# Altium PCB Archimajor.PcbDoc (part 3 of 13)
Units mil, origin at the board's own origin, x right, y up, seen from the top; angles counter-clockwise.
Board outline 7480.32 x 5511.81 mil, 6 copper layers (Top Layer, Top GND, Power Plane, Mid1, Bot GND, Bottom Layer), stack 69.913 mil thick; 1038 components, 682 nets, 3229 pads, 2870 vias.
Unrouted connection lines stored in the file: 97.
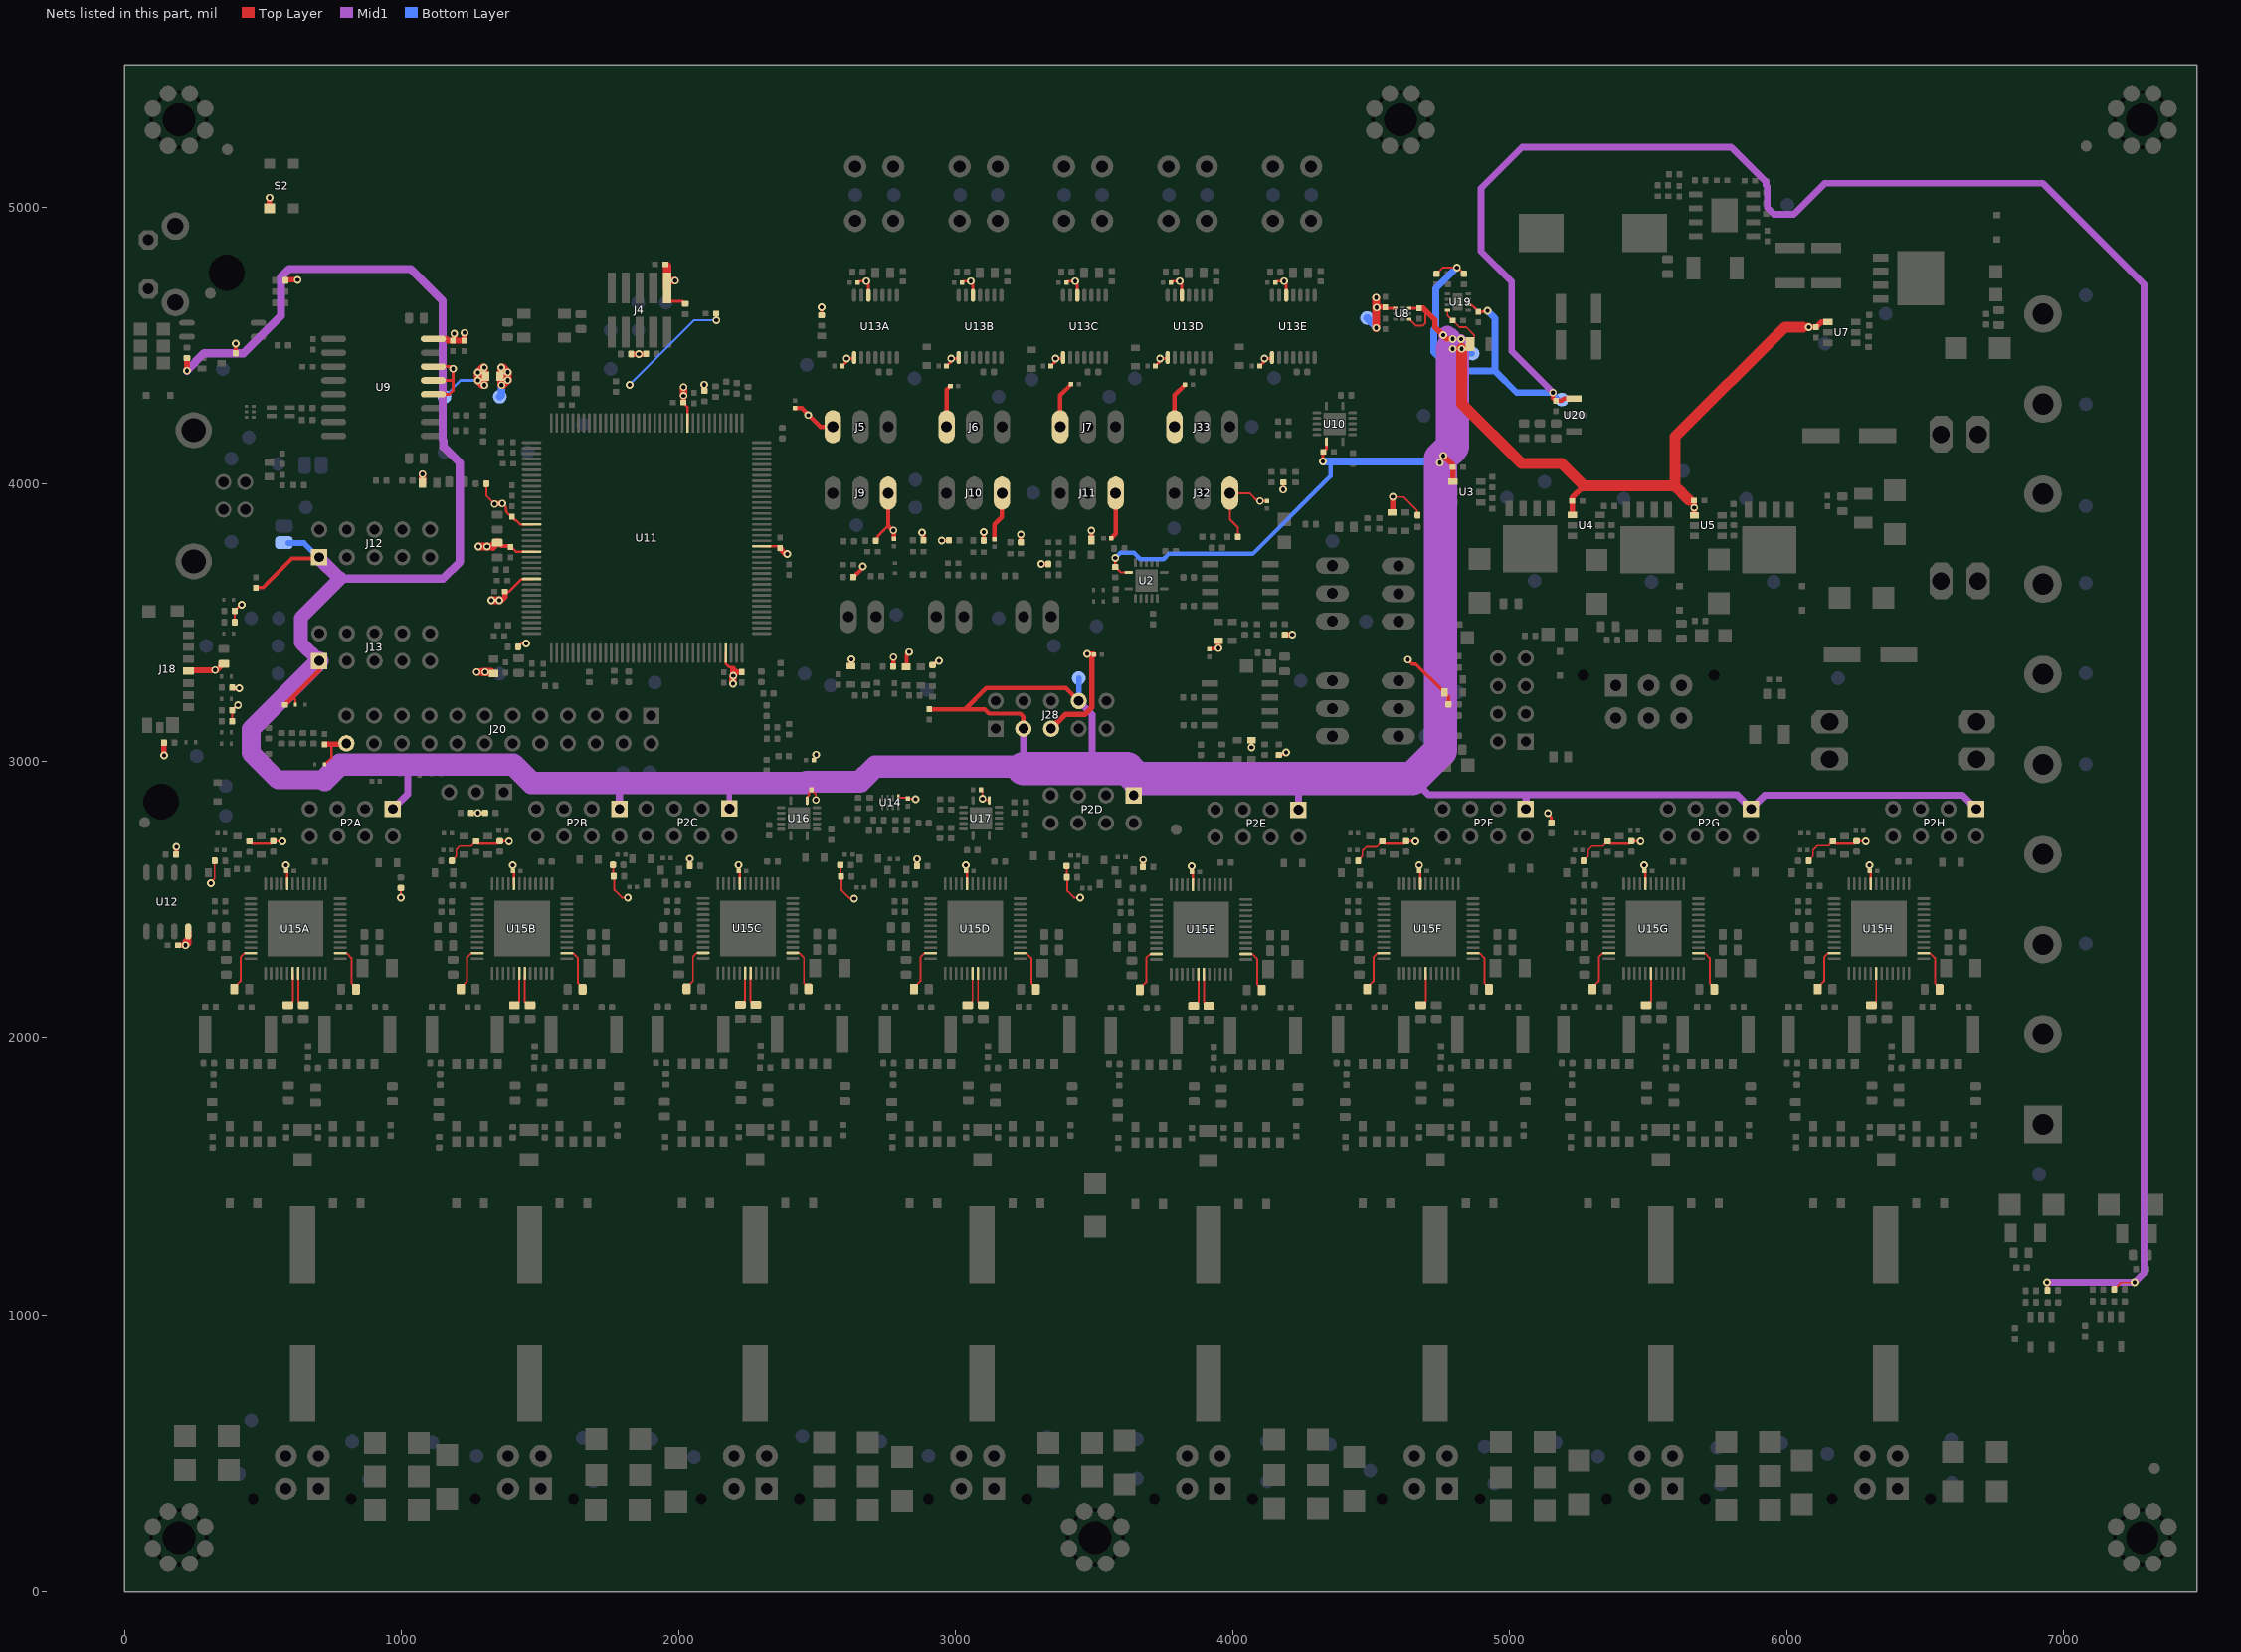
[diagram p7: the nets of this part, all layers, seen from the top]

## Footprints (in the part's own frame and the unit in brackets; to place one, negate y for a bottom-side part, rotate by r counter-clockwise, add the part's x,y. Pads: shape width x height; smd on the part's side, far side on the other; paste and mask are expansions set on the pad) (continued)
Standoff3mmTopConn [mm]
  round 1 smd paste-2 mask-2: 1(-1.5,-1.9)
  round 0 hole 3.3 unplated paste-2 mask-3: ""(0,0)
  Top Layer lines w1.143: -1.724,-1.724 ccw(c0,0) 2.438,0 ccw(c0,0) -1.724,-1.724
  Bottom Layer circle w1.143: c0,0 r2.438
  silkscreen extent -2.98,-2.98 2.98,2.98, body extent -2.98,-2.98 2.98,2.98, height 0.01
TDFN1616-6LD-PL-1 [mm] "1.6mmx1.6mm"
  rect 0.28x0.4 smd mask+0.13: 1(-0.5,-0.65) 2(0,-0.65) 3(0.5,-0.65) 4(0.5,0.65) 5(0,0.65) 6(-0.5,0.65)
  rect 1.4x0.483 smd paste-1 mask+0.07: 7(0,0)
  silkscreen extent -1.2,-0.9 -1,-0.7, body extent -0.8,-0.8 0.8,0.8, height 0.55
TP1-27#1 [mil]
  rrect100% 50x50 smd paste-50: TP(0,0)
  body extent -25,-25 25,25, height 0
TP1-27#2 [mil]
  rrect100% 50x50 smd: TP(0,0)
  body extent -25,-25 25,25, height 0
TP-2 [mil]
  round 50 smd paste-78.74: 1(0,0)
  body extent -25,-25 25,25, height 1
TQFP48-EP [mm] "TSQFP, 48-Leads, Body 7.00x7.00mm, Pitch 0.50mm, Thermal Pad 5.10x5.10mm, IPC High Density"
  oval 1.2x0.25 smd: 1(-4.1,2.75) 2(-4.1,2.25) 3(-4.1,1.75) 4(-4.1,1.25) 5(-4.1,0.75) 6(-4.1,0.25) 7(-4.1,-0.25) 8(-4.1,-0.75) 9(-4.1,-1.25) 10(-4.1,-1.75) 11(-4.1,-2.25) 12(-4.1,-2.75) 25(4.1,-2.75) 26(4.1,-2.25) 27(4.1,-1.75) 28(4.1,-1.25) 29(4.1,-0.75) 30(4.1,-0.25) 31(4.1,0.25) 32(4.1,0.75) 33(4.1,1.25) 34(4.1,1.75) 35(4.1,2.25) 36(4.1,2.75)
  oval 0.25x1.2 smd: 13(-2.75,-4.1) 14(-2.25,-4.1) 15(-1.75,-4.1) 16(-1.25,-4.1) 17(-0.75,-4.1) 18(-0.25,-4.1) 19(0.25,-4.1) 20(0.75,-4.1) 21(1.25,-4.1) 22(1.75,-4.1) 23(2.25,-4.1) 24(2.75,-4.1) 37(2.75,4.1) 38(2.25,4.1) 39(1.75,4.1) 40(1.25,4.1) 41(0.75,4.1) 42(0.25,4.1) 43(-0.25,4.1) 44(-0.75,4.1) 45(-1.25,4.1) 46(-1.75,4.1) 47(-2.25,4.1) 48(-2.75,4.1)
  rect 5.1x5.1 smd: 49(0,0)
  silkscreen extent -4.23,-3.1 3.1,3.55, body extent -3.5,-3.5 3.5,3.5, height 1.2
"TSSOP-14L 65P640X110" [mm] "TSOP, 14-Leads, Body 5.00x4.40mm, Pitch 0.65mm, IPC High Density"
  oval 1.2x0.4 smd: 1(-2.85,1.95) 2(-2.85,1.3) 3(-2.85,0.65) 4(-2.85,0) 5(-2.85,-0.65) 6(-2.85,-1.3) 7(-2.85,-1.95) 8(2.85,-1.95) 9(2.85,-1.3) 10(2.85,-0.65) 11(2.85,0) 12(2.85,0.65) 13(2.85,1.3) 14(2.85,1.95)
  silkscreen extent -2.97,-2.55 1.85,2.83, body extent -2.25,-2.55 2.25,2.55, height 1.1
Wave_hole_3x7-doubleSided [mil]
  round 0 hole 118.11 unplated paste+0 mask-112: 0(0,0)
  round 0 hole 15 paste-20 mask-20: 1(-100,0) 1(-70,-70) 1(-70,70) 1(0,-100) 1(0,100) 1(70,-70) 1(70,70) 1(100,0)
  round 60 smd paste-5 mask+0: 1(-94.49,-39.37) 1(-94.49,39.37) 1(-39.37,-94.49) 1(-39.37,94.49) 1(39.37,-94.49) 1(39.37,94.49) 1(94.49,-39.37) 1(94.49,39.37)
  round 60 smd far side paste-5 mask+0: 1(-94.49,-39.37) 1(-94.49,39.37) 1(-39.37,-94.49) 1(-39.37,94.49) 1(39.37,-94.49) 1(39.37,94.49) 1(94.49,-39.37) 1(94.49,39.37)
  Top Layer lines w61.96: -72.12,-72.12 ccw(c0,0) 19.33,-100.15 ccw(c0,0) 102,0 ccw(c0,0) -72.12,-72.12
  Bottom Layer lines w61.96: -72.12,72.12 cw(c0,0) 102,0 cw(c0,0) 72.12,-72.12 cw(c0,0) -72.12,72.12
  body extent -105,-105 105,105
WSON8_2X2MM [mm]
  rect 0.5x0.25 smd paste-0.025 mask+0.051: 1(-0.95,0.75) 2(-0.95,0.25) 3(-0.95,-0.25) 4(-0.95,-0.75) 5(0.95,-0.75) 6(0.95,-0.25) 7(0.95,0.25) 8(0.95,0.75)
  rect 0.9x1.6 smd mask+0.051: 9(0,0)
  round 0.35 on Top Overlay paste-0.9 mask+0.051: ""(-1.47,0.75)
  silkscreen extent -1.05,-1.05 1.05,1.05, body extent -1.05,-1.05 1.05,1.05, height 0.02
XSON50P100X50-8L [mm] "SON, 8-Leads, Body 1.95x1.00mm, Pitch 0.50mm, IPC High Density"
  rect 0.65x0.2 smd: 1(-0.415,0.75)
  rect 0.6x0.2 smd: 2(-0.415,0.25) 3(-0.415,-0.25) 4(-0.415,-0.75) 5(0.415,-0.75) 6(0.415,-0.25) 7(0.415,0.25) 8(0.415,0.75)
  silkscreen extent -0.97,-1.15 0.53,1.2, body extent -0.53,-1 0.53,1, height 0.5

## Part data
C1: library part "100nF 0603 50V X7R", "CAP CER 0603 100nF 50V 10% X7R", Manufacturer=Kemet, MANUFACTURER #=C0603C104K5RACTU, TOLERANCE="+/- 10%", DISTRIBUTOR=Digi-Key, DISTRIBUTOR #=399-5089-2-ND, EE_SPEC="100nF 50V X7R 0603", PART=C0603C104K5RACTU, PART DESCRIPTION="0.1µF ±10% 50V Ceramic Capacitor X7R 0603 (1608 Metric)"
C2 C60A C60B C60C C60D C60E C62A C62B C62C C62D C62E C67 C78 C91 C100 C105 C106 C149A C149B C149C C149D C149E C149F C149G C149H C204 C205 C206 C207 C208 C215 C217: library part "100nF 6.3V X5R 0201", "CAP CER 0.1UF 6.3V 10% X5R 0201", Manufacturer=Samsung, MANUFACTURER #=CL03A104KQ3NNNC, TOLERANCE=10%, VOLTAGE=6.3V, DISTRIBUTOR=DIGI-KEY, DISTRIBUTOR #=1276-1013-1-ND, PART=CL03A104KQ3NNNC
C3: library part C0402_TBD, "CAP CER 0402 TBD", Manufacturer=TBD, DISTRIBUTOR #=TBD, DNI=DNI, EE_SPEC=50V, MANUFACTURER #=TBD, PART=TBD, PART DESCRIPTION=TBD
C4 C5: library part "47uF 1210 10V X5R", "CAP CER 47UF 10V X5R 1210", Manufacturer=Murata, MANUFACTURER #=GRM32ER61A476KE20L, TOLERANCE=10%, DISTRIBUTOR=Digikey, DISTRIBUTOR #=490-3887-1-ND, EE_SPEC="10V, 3mOhm", PART=GRM32ER61A476KE20L, PART DESCRIPTION="47µF ±10% 10V Ceramic Capacitor X5R 1210 (3225 Metric)"
C6 C7: library part "4.7uF 1210 50V X7R", "CAP CER 4.7UF 50V X7R 1210", Manufacturer=Murata, MANUFACTURER #=GRM32ER71H475KA88L, TOLERANCE=10%, DISTRIBUTOR=Digikey, DISTRIBUTOR #=490-1864-1-ND, EE_SPEC=50V, PART=GRM32ER71H475KA88L, PART DESCRIPTION="4.7µF ±10% 50V Ceramic Capacitor X7R 1210 (3225 Metric)"
C8 C9 C10 C11 C27 C50 C153 C209 C211: "Capacitor Non Polarized", MANUFACTURER #=DNI-C0603TBD, DNI=DNI, PART=DNI-C0603TBD
C12A C12B C12C C12D C12E C30A C30B C30C C30D C30E C71 C171: library part "10nF 0402 50V X7R", "CAP CER 10nF 50V X7R 0402", Manufacturer=Murata, MANUFACTURER #=GRM155R71H103JA88D, TOLERANCE=5%, DISTRIBUTOR=Digikey, DISTRIBUTOR #=490-7763-1-ND, EE_SPEC=50V, PART=GRM155R71H103JA88D, PART DESCRIPTION="10000pF ±5% 50V Ceramic Capacitor X7R 0402 (1005 Metric)"
C13 C17 C35 C94: library part "CAP 1nF 50V 0402 X7R", "1000pF 50V Ceramic Capacitor X7R 0402 (1005 Metric) 0.039\" L x 0.020\" W (1.00mm x 0.50mm)", Manufacturer=Murata, MANUFACTURER #=GRM155R71H102KA01D, TOLERANCE=10%, DISTRIBUTOR="Digi-Key Electronics", DISTRIBUTOR #=490-1303-2-ND, EE_SPEC=50V, PART=GRM155R71H102KA01D, PART DESCRIPTION="1000pF ±10% 50V Ceramic Capacitor X7R 0402 (1005 Metric)"
C14 C16 C38 C93: library part "10uF 1206 50V X5R", "CAP CER 10UF 50V 10% X5R 1206", Manufacturer=Murata, MANUFACTURER2#=587-3248-2-ND, MANUFACTURER #=490-10756-2-ND, TOLERANCE=10%, DISTRIBUTOR="Digi-Key Electronics", DISTRIBUTOR #=490-10756-2-ND, EE_SPEC=50V, PART=490-10756-2-ND, PART DESCRIPTION="10µF ±20% 50V Ceramic Capacitor X5R 1206 (3216 Metric)"
C15 C18 C36 C95 C199 C202 C203: library part C0603C104K5RACTU, "CAP CER 0603 100nF 50V 10% X7R", Manufacturer=Kemet, TOLERANCE=10%, DISTRIBUTOR="Digi-Key Electronics", DISTRIBUTOR #=399-5089-2-ND, EE_SPEC="100nF 50V X7R 0603", MANUFACTURER #=C0603C104K5RACTU, PART=C0603C104K5RACTU
  C15 C18 C36 C95: PART DESCRIPTION="0.10µF ±10% 50V Ceramic Capacitor X7R 0603 (1608 Metric)"
  C199 C202 C203: PART DESCRIPTION="0.1µF ±10% 50V Ceramic Capacitor X7R 0603 (1608 Metric)"
C19 C20 C21 C22 C26 C28 C29 C31 C33 C39 C44 C45 C46 C51 C52 C54 C56 C63 C65 C66 C68 C69 C73 C76 C80 C81 C82 C103 C161 C162 C164 C165 C166 C167 C169 C200 C201: library part GRM155R71C104KA88D, "CAP CER 0402 100nF 16V 10% X7R", Manufacturer=Murata, TOLERANCE=10%, DISTRIBUTOR="Digi-Key Electronics", DISTRIBUTOR #=490-3261-2-ND, EE_SPEC="100nF 16V X7R 0402", MANUFACTURER #=GRM155R71C104KA88D, PART=GRM155R71C104KA88D, PART DESCRIPTION="0.10µF ±10% 16V Ceramic Capacitor X7R 0402 (1005 Metric)"
C23A C23B C23C C23D C23E C47A C47B C47C C47D C47E C47F C47G C47H C121A C121B C121C C121D C121E C121F C121G C121H C122A C122B C122C C122D C122E C122F C122G C122H: library part "100nF 0603 50V X7R", "CAP CER 0603 100nF 50V 10% X7R", Manufacturer=Kemet, MANUFACTURER #=C0603C104K5RACTU, TOLERANCE=10%, DISTRIBUTOR=Digikey, DISTRIBUTOR #=399-5089-2-ND, EE_SPEC=50V, PART=C0603C104K5RACTU, PART DESCRIPTION="0.10µF ±10% 50V Ceramic Capacitor X7R 0603 (1608 Metric)"
C24 C32 C34: library part GRM155R60J105KE19D, "CAP CER 0402 1uF 6.3V 10% X5R", Manufacturer=Murata, TOLERANCE=10%, DISTRIBUTOR="Digi-Key Electronics", DISTRIBUTOR #=490-1320-2-ND, EE_SPEC="1uF 6.3V X5R 0402", MANUFACTURER #=GRM155R60J105KE19D, PART=GRM155R60J105KE19D, PART DESCRIPTION="1µF ±10% 6.3V Ceramic Capacitor X5R 0402 (1005 Metric)"
C25 C210: "CAP ALUM 100UF 35V 20% SMD", Manufacturer=Nichicon, TOLERANCE=20%, DISTRIBUTOR="Digi-Key Electronics", DISTRIBUTOR #=493-2203-2-ND, EE_SPEC="100uF 35V Al-El", MANUFACTURER #=UWT1V101MCL1GS, PART=UWT1V101MCL1GS, PART DESCRIPTION="100µF 35V Aluminum Capacitors Radial, Can - SMD 1000 Hrs @ 105°C"
C37 C53 C55 C57 C70 C72: library part C1608JB0J106K080AB, "CAP CER 10UF 6.3V 10% JB 0603", Manufacturer=TDK, TOLERANCE=10%, DISTRIBUTOR="Digi-Key Electronics", DISTRIBUTOR #=445-11185-1-ND, EE_SPEC=6.3VDC, MANUFACTURER #=C1608JB0J106K080AB, PART=C1608JB0J106K080AB, PART DESCRIPTION="CAP CER 10UF 6.3V 10% JB 0603"
C40 C43 C77 C84 C86 C157 C158 C159 C160 C214 C216: library part GRM155R71H103JA88D, "CAP CER 10nF 50V X7R 0402", Manufacturer=Murata, TOLERANCE=5%, DISTRIBUTOR="Digi-Key Electronics", DISTRIBUTOR #=490-7763-1-ND, EE_SPEC=50V, MANUFACTURER #=GRM155R71H103JA88D, PART=GRM155R71H103JA88D, PART DESCRIPTION="10000pF ±5% 50V Ceramic Capacitor X7R 0402 (1005 Metric)"
C41 C42: library part "3pF 0603 50V NP0", "CAP CER 3PF 50V NP0 0603", Manufacturer=Samsung, MANUFACTURER #=CL10C030BB8NNNC, TOLERANCE="+/- 0.1pF", DISTRIBUTOR="Digi-Key Electronics", DISTRIBUTOR #=1276-2125-2-ND, EE_SPEC=50V, PART=CL10C030BB8NNNC, PART DESCRIPTION="3pF ±0.1pF 50V Ceramic Capacitor C0G, NP0 0603 (1608 Metric)"
C48A C48B C48C C48D C48E C48F C48G C48H C59A C59B C59C C59D C59E C59F C59G C59H C98A C98B C98C C98D C98E C98F C98G C98H C99A C99B C99C C99D C99E C99F C99G C99H: library part "220nF 50V X7R 0603", "CAP CER 0.22UF 50V X7R 0603", Manufacturer=TDK, MANUFACTURER #=CGA3E3X7R1H224K080AB, EE_SPEC="50V X7R", PART=CGA3E3X7R1H224K080AB, PART DESCRIPTION="0.22µF ±10% 50V Ceramic Capacitor X7R 0603 (1608 Metric)"
C49: library part CL05C100JB5NNNC, "CAP CER 10PF 50V 5% NP0 0402", Manufacturer=Samsung, TOLERANCE=5%, DISTRIBUTOR="Digi-Key Electronics", DISTRIBUTOR #=1276-1139-2-ND, EE_SPEC=50V, MANUFACTURER #=CL05C100JB5NNNC, PART=CL05C100JB5NNNC, PART DESCRIPTION="10pF ±5% 50V Ceramic Capacitor C0G, NP0 0402 (1005 Metric)"
C58A C58B C58C C58D C58E C58F C58G C58H C96A C96B C96C C96D C96E C96F C96G C96H C97A C97B C97C C97D C97E C97F C97G C97H C123A C123B C123C C123D C123E C123F C123G C123H: library part "1nF 50V X7R 0603", "CAP CER 0603  1nF 50v 10% X7R", Manufacturer=Kemet, MANUFACTURER #=C0603C102K5RACTU, TOLERANCE="+/- 10%", DISTRIBUTOR=Digi-Key, DISTRIBUTOR #=399-1082-2-ND, EE_SPEC="1nF 50V X7R 0603", PART=C0603C102K5RACTU, PART DESCRIPTION="1000pF ±10% 50V Ceramic Capacitor X7R 0603 (1608 Metric)"
C61A C61B C61C C61D C61E C61F C61G C61H C125A C125B C125C C125D C125E C125F C125G C125H: library part "4.7uF 1206 50V X5R", "CAP CER 1206 4.7uF 50V 10% X5R", Manufacturer=Kemet, MANUFACTURER #=C1206C475K5PACTU, TOLERANCE=10%, DISTRIBUTOR=Digikey, DISTRIBUTOR #=399-5507-2-ND, EE_SPEC=50V, PART=C1206C475K5PACTU, PART DESCRIPTION="4.7µF ±10% 50V Ceramic Capacitor X5R 1206 (3216 Metric)"
C64 C74 C75 C79 C83 C85 C87 C88 C89 C90 C101 C102 C104: library part C0402_TBD, "CAP CER 0402 TBD", DISTRIBUTOR #=TBD, EE_SPEC=TBD, Manufacturer=TBD, MANUFACTURER #=TBD, PART=TBD, PART DESCRIPTION=TBD
C92: library part "100nF 0402 16V X7R", "CAP CER 0402 100nF 16V 10% X7R", Manufacturer=Murata, MANUFACTURER #=GRM155R71C104KA88D, TOLERANCE=10%, DISTRIBUTOR=Digikey, DISTRIBUTOR #=490-3261-2-ND, EE_SPEC=16V, PART=GRM155R71C104KA88D, PART DESCRIPTION="0.10µF ±10% 16V Ceramic Capacitor X7R 0402 (1005 Metric)"
C124A C124B C124C C124D C124E C124F C124G C124H: library part "22nF 100V X7R 0603", "CAP CER 0.022UF 100V X7R 0603", Manufacturer=Kemet, MANUFACTURER #=C0603C223K1RACTU, EE_SPEC="100 X7R", PART=C0603C223K1RACTU, PART DESCRIPTION="0.022µF ±10% 100V Ceramic Capacitor X7R 0603 (1608 Metric)"
C131A C131B C131C C131D C131E C131F C131G C131H: library part "4.7uF 0603 6.3V X7R", "CAP CER 4.7UF 6.3V X7R 0603", Manufacturer=Samsung, MANUFACTURER #=CL10B475KQ8NQNC, TOLERANCE=10%, DISTRIBUTOR=Digikey, DISTRIBUTOR #=1276-2087-2-ND, EE_SPEC=6.3V, PART=CL10B475KQ8NQNC, PART DESCRIPTION="4.7µF ±10% 6.3V Ceramic Capacitor X7R 0603 (1608 Metric)"
C132A C132B C132C C132D C132E C132F C132G C132H: library part "470nF 0402 6.3V X5R", "470nF 6.3v C0402 - GRM155R60J474KE19D", Manufacturer=Murata, MANUFACTURER #=GRM155R60J474KE19D, TOLERANCE=10%, DISTRIBUTOR=Digikey, DISTRIBUTOR #=490-3266-2-ND, EE_SPEC=6.3V, PART=GRM155R60J474KE19D, PART DESCRIPTION="470nF ±10% 6.3V Ceramic Capacitor X5R 0402 (1005 Metric)"
C150: library part "2.2nF 25V C0G 0402", "CAP CER 0402 2.2nF 25V C0G", Manufacturer=Kemet, MANUFACTURER #=C0402C222J3GACTU, TOLERANCE=5%, DISTRIBUTOR=Digikey, DISTRIBUTOR #=399-8957-2-ND, EE_SPEC=25, PART=C0402C222J3GACTU, PART DESCRIPTION="2200pF ±5% 25V Ceramic Capacitor C0G, NP0 0402 (1005 Metric)"
C151: library part "22pF 0402 50V C0G", "CAP CER 0402 22pF 50V 5% C0G", Manufacturer=AVX, MANUFACTURER #=04025A220JAT2A, TOLERANCE=5%, DISTRIBUTOR=Digi-Key, DISTRIBUTOR #=478-1074-2-ND, EE_SPEC="22pF 5% 50V NP0 0402", PART=04025A220JAT2A, PART DESCRIPTION="22pF ±5% 50V Ceramic Capacitor C0G, NP0 0402 (1005 Metric)"
C152A C152B C152C C152D C152E C152F C152G C152H: library part "470uF Al-El 50V 80mOhms 16-18mmD", "CAP ALUM 470UF 20% 50V SMD", Manufacturer=Nichicon, MANUFACTURER #=UCZ1H471MNQ1MS, TOLERANCE=20%, EE_SPEC="80 mOhms, 2A @ 100Khz", PART=UCZ1H471MNQ1MS, PART DESCRIPTION="470µF 50V Aluminum Electrolytic Capacitors Radial, Can - SMD 80 mOhm @ 100kHz 3500 Hrs @ 125°C"
C154: "Capacitor Non Polarized", MANUFACTURER #=DNI-C0603TBD, TOLERANCE=5%, DNI=DNI, PART=DNI-C0603TBD
C155 C156 C212 C213: library part GRM155R71C104KA88D, "CAP CER 0402 100nF 16V 10% X7R", Manufacturer=Murata, TOLERANCE="+/- 10%", DISTRIBUTOR=Digi-Key, DISTRIBUTOR #=490-3261-2-ND, EE_SPEC="100nF 16V X7R 0402", MANUFACTURER #=GRM155R71C104KA88D, PART=GRM155R71C104KA88D, PART DESCRIPTION="0.10µF ±10% 16V Ceramic Capacitor X7R 0402 (1005 Metric)"
C198: "Capacitor Non Polarized", MANUFACTURER #=DNI-C0402TBD, DNI=DNI, PART=DNI-C0402TBD
D1 D42 D44 D64 D65 D66 D67 D68 D69 D71 D72 D73: "TVS DIODE 3.3VWM 10.4VC SOD923", Manufacturer="On Semi", TOLERANCE=-NA-, DISTRIBUTOR #=ESD9X3.3ST5GOSCT-ND, EE_SPEC="3.3Vso 15pF", MANUFACTURER #=ESD9X3.3ST5G, PART=ESD9X3.3ST5G, PART DESCRIPTION="TVS DIODE 3.3VWM SOD923"
  D1 D42 D64 D65 D66 D67 D68 D69 D71 D72 D73: DISTRIBUTOR="Digi-Key Electronics"
  D44: DISTRIBUTOR=Digikey
D2: library part SK54B, "DIODE SCHOTTKY 40V 5A SMB_DO214AA", Manufacturer=MCC, VOLTAGE=40Vrb, DISTRIBUTOR=DIGI-KEY, DISTRIBUTOR #=SK54B-LTPMSTR-ND, MANUFACTURER #=SK54B-LTP, PART=SK54B-LTP
D4 D10 D11 D14 D26: "DIODE TVS", Manufacturer=Rohm, TOLERANCE=-NA-, DISTRIBUTOR="Digi-Key Electronics", DISTRIBUTOR #=RSB39VTE-17TR-ND, EE_SPEC="30Vso 30pF", MANUFACTURER #=RSB39VTE-17, PART=RSB39VTE-17, PART DESCRIPTION="TVS DIODE 30VWM SOD323"
D5 D12A D12B D12C D12D D12E D12F D12G D12H D19A D19B D19C D19D D19E D19F D19G D19H D20A D20B D20C D20D D20E D20F D20G D20H D28 D29 D30 D31 D36 D37 D38 D39 D40 D41 D50 D51 D52 D53 D54 D55 D56 D57 D60 D61 D62 D63 D70 D74 D75 D76 D77: library part BAT54WX, "DIODE SCHOTTKY 30V 200MA SOD523", Manufacturer="Diodes Incorporated", MANUFACTURER #=BAT54WX-TP, TOLERANCE=-NA-, DISTRIBUTOR #=BAT54WX-TPTR-ND, EE_SPEC="30V 200mA", PART=BAT54WX-TP, PART DESCRIPTION="Diode Schottky 30V 200mA (DC) Surface Mount SOD-523"
  D5 D28 D29 D30 D31 D36 D37 D38 D39 D40 D41 D60 D61 D62 D63 D70 D74 D75 D76 D77: DISTRIBUTOR="Digi-Key Electronics"
  D12A D12B D12C D12D D12E D12F D12G D12H D19A D19B D19C D19D D19E D19F D19G D19H D20A D20B D20C D20D D20E D20F D20G D20H D50 D51 D52 D53 D54 D55 D56 D57: DISTRIBUTOR=Digikey
D6 D7 D8 D15: library part SK310A, "DIODE Schottky 3A SMA", Manufacturer=MCC, TOLERANCE=-NA-, DISTRIBUTOR="Digi-Key Electronics", DISTRIBUTOR #=SK310A-TPTR-ND, EE_SPEC="100V 3A", MANUFACTURER #=SK310A, PART=SK310A, PART DESCRIPTION="Diode Schottky 100V 3A Surface Mount DO-214AC (HSMA)"
D9 D16 D17 D18 D24: library part 5988110107F, "LED 0805 Red", Manufacturer=Dialight, TOLERANCE=-NA-, DISTRIBUTOR="Digi-Key Electronics", DISTRIBUTOR #=350-2038-2-ND, EE_SPEC=Vf=2.2V, MANUFACTURER #=5988110107F, PART=5988110107F, PART DESCRIPTION="Red 635nm LED Indication - Discrete 2.2V 0805 (2012 Metric)"
D21 D22 D43 D46A D46B D46C D46D D46E D46F D46G D46H D47A D47B D47C D47D D47E D47F D47G D47H D48A D48B D48C D48D D48E D48F D48G D48H D49A D49B D49C D49D D49E D49F D49G D49H D78: "TVS DIODE 24V 38.9V SMA", Manufacturer="Bourns Inc", DISTRIBUTOR=Digi-Key, DISTRIBUTOR #=SMAJ24ABTR-ND, EE_SPEC="24Vrs 38.9Vc", MANUFACTURER #=SMAJ24A, PART=SMAJ24A, PART DESCRIPTION="TVS DIODE 24V 38.9V SMA"
D23: library part 5988170107F, "LED 0805 Green", Manufacturer=Dialight, TOLERANCE=-NA-, DISTRIBUTOR="Digi-Key Electronics", DISTRIBUTOR #=350-2044-2-ND, EE_SPEC=Vf=2V, MANUFACTURER #=5988170107F, PART=5988170107F, PART DESCRIPTION="Green 566nm LED Indication - Discrete 2V 0805 (2012 Metric)"
D25: library part 5988140107F, "LED 0805 Yellow", Manufacturer=Dialight, TOLERANCE=-NA-, DISTRIBUTOR="Digi-Key Electronics", DISTRIBUTOR #=350-2041-2-ND, EE_SPEC=Vf=2V, MANUFACTURER #=5988140107F, PART=5988140107F, PART DESCRIPTION="Yellow 593nm LED Indication - Discrete 2V 0805 (2012 Metric)"
D27: "Rail-to-rail ESD protection devices", Manufacturer=NXP, MANUFACTURER #=PRTR5V0U2F,115, TOLERANCE=-NA-, DISTRIBUTOR="Digi-Key Electronics", DISTRIBUTOR #=568-4677-2-ND, EE_SPEC="5.5Vso 1pF", PART=PRTR5V0U2F,115, PART DESCRIPTION="TVS DIODE 5.5VWM SOT886"
D45: "TVS DIODE 5V 9V SOD923", Manufacturer=Toshiba, EE_SPEC=5Vso, MANUFACTURER #=DF2S6.8FS,L3M, PART=DF2S6.8FS,L3M, PART DESCRIPTION="TVS DIODE 5V 9V SOD923"
F1 F2: "FUSE PTH ATO", Manufacturer=Keystone, TOLERANCE=-NA-, DISTRIBUTOR="Digi-Key Electronics", DISTRIBUTOR #=36-3557-2-ND, EE_SPEC=500V, MANUFACTURER #=3557-2, PART=3557-2, PART DESCRIPTION="Fuse Block 30A 500V 1 Circuit Blade PCB"
FB26 FB27 FB28 FB29 FB30: library part "FERRITE 120R 3A 0603", "FERRITE BEAD 120 OHM 0603 1LN", Manufacturer=Samsung, MANUFACTURER2#=490-5254-2-ND, MANUFACTURER #=CIS10P121AC, TOLERANCE=-NA-, DISTRIBUTOR="Digi-Key Electronics", DISTRIBUTOR #=1276-6351-2-ND, EE_SPEC=3A, PART=CIS10P121AC, PART DESCRIPTION="FERRITE BEAD 120 OHM 0603 1LN"
FD1 FD2 FD3 FD4 FD5 FD6 FD7: MANUFACTURER #=NOTAPART-Fiducial, PART=NOTAPART-Fiducial
H1 H2 H6 H7 H8 H9: MANUFACTURER #=NOTAPART-Hole, PART=NOTAPART-Hole
H3 H4 H5: library part Standoff3TopConn, "Mechanical - Top connect", MANUFACTURER #=NOTAPART-Hole, PART=NOTAPART-Hole
J1: library part "Micro-Fit THT 6pos 3mm", "Conn - 3mm Pitch Fixed", Manufacturer=Molex, EE_SPEC="600V 8A 3mm", MANUFACTURER #=0430450612, PART=0430450612, PART DESCRIPTION="Micro-Fit THT 6pos 3mm"
J2A J2B J2C J2D J2E J2F J2G J2H: library part "Micro-Fit THT 4pos 3mm", "Conn - 3mm Pitch Fixed", Manufacturer=Molex, EE_SPEC="600V 8A 3mm", MANUFACTURER #=43045-0412, PART=43045-0412, PART DESCRIPTION="Micro-Fit THT 4pos 3mm"
J3: library part "10 Pos barrier", "CONN BARRIER STRIP 10CIRC 0.325\"", Manufacturer=TE, TOLERANCE=NA, DISTRIBUTOR=Digi-Key, MANUFACTURER #=4DB-P108-10, PART=4DB-P108-10, PART DESCRIPTION="10 Circuit 0.325\" (8.26mm) Barrier Block Connector, Screws with Captive Plate"
J4: library part "ARM Cortex JTAG-DEBUG Header", "20021121-00010C4LF", Manufacturer="Amphenol FCI", TOLERANCE=-NA-, DISTRIBUTOR="Digi-Key Electronics", DISTRIBUTOR #=609-3695-2-ND, EE_SPEC=-NA-, MANUFACTURER #=20021121-00010C4LF, PART=20021121-00010C4LF, PART DESCRIPTION="10 Positions Header, Unshrouded Connector 0.050\" (1.27mm) Surface Mount Gold"
J5 J6 J7 J9 J10 J11 J22 J29 J30 J31 J32 J33: library part "CONN 3POS VERT 0.1\" SHRD LOCKING PIP", "3 Positions Header, Shrouded Connector 0.100\" (2.54mm) Through Hole Gold - Pin in Paste", Manufacturer=Molex, MANUFACTURER #=0705430002, TOLERANCE=-NA-, DISTRIBUTOR=Digikey, DISTRIBUTOR #=WM4801-ND, EE_SPEC=-NA-, PART=0705430002, PART DESCRIPTION="3 Positions Header, Shrouded Connector 0.100\" (2.54mm) Through Hole Gold"
J8: Manufacturer="Amphenol FCI", MANUFACTURER #=61729-0010BLF, TOLERANCE=-NA-, DISTRIBUTOR="Digi-Key Electronics", DISTRIBUTOR #=609-1039-ND, EE_SPEC=-NA-, PART=61729-0010BLF, PART DESCRIPTION="USB - B USB 2.0 Receptacle Connector 4 Position Through Hole, Right Angle"
J12 J13 J28: library part "Header 10PIN 2ROW T-HOLE VERT SHROUDED", "CONN HEADER VERT 10POS GOLD", Manufacturer="On Shore", MANUFACTURER #=302-S101, TOLERANCE=-NA-, DISTRIBUTOR=Digikey, DISTRIBUTOR #=ED1543-ND, EE_SPEC=-NA-, PART=302-S101, PART DESCRIPTION="10 Positions Header Connector 0.100\" (2.54mm) Through Hole Gold"
J14 J15 J16: "Connector 2pos - Pin in Paste", Manufacturer=Molex, MANUFACTURER #=0705430001, TOLERANCE=-NA-, DISTRIBUTOR=Digikey, DISTRIBUTOR #=WM4800-ND, EE_SPEC=-NA-, PART=0705430001, PART DESCRIPTION="2 Positions Header, Shrouded Connector 0.100\" (2.54mm) Through Hole Gold"
J18: "microSD 0475710001Molex Part", Manufacturer=Molex, TOLERANCE=-NA-, DISTRIBUTOR=Digikey, DISTRIBUTOR #=WM9731TR-ND, EE_SPEC=-NA-, MANUFACTURER #=0475710001, PART=0475710001, PART DESCRIPTION="10 (8 + 2) Position Card Connector Secure Digital - microSD™ Surface Mount, Right Angle Gold"
J20: "Header, 12-Pin, Dual row", Manufacturer=Multicomp, MANUFACTURER #=2213S-24G, TOLERANCE=-NA-, DISTRIBUTOR=Future, DISTRIBUTOR #=08N6796, EE_SPEC=-NA-, PART=2213S-24G, PART DESCRIPTION="Board-To-Board Connector, 2.54 mm, 24 Contacts, Header, 2213S Series, Through Hole, 2 Rows"
J21A J21B J21C J21D J21E: library part "2POS 45DEG 3.5MM Push-Spring Terminal Block", "TERM BLOCK 2POS 45DEG 3.5MM PCB", Manufacturer="Phoenix Contact", TOLERANCE=-NA-, DISTRIBUTOR=Digikey, DISTRIBUTOR #=277-12184-ND, EE_SPEC=-NA-, MANUFACTURER #=1864286, PART=1864286, PART DESCRIPTION="2 Positions Header Connector 0.100\" (2.54mm) Through Hole, Right Angle Gold"
J24: library part "Header 3x1 Male Pin", "Header 3Pin 1Row T-Hole", Manufacturer=Multicomp, MANUFACTURER #=2211S-03G, TOLERANCE=-NA-, DISTRIBUTOR=Newark, DISTRIBUTOR #=08N6745, EE_SPEC=-NA-, PART=2211S-03G, PART DESCRIPTION="MULTICOMP  2211S-03G  Board-To-Board Connector, 2.54 mm, 3 Contacts, Header, 2211S Series, Through Hole, 1 Rows"
JP1 JP2: "SMD solder jumper", MANUFACTURER #="NOTAPART-Solder Bridge", PART="NOTAPART-Solder Bridge"
L1: library part "4.7uH 10A", "FIXED IND 4.7UH 10A 15.5 MOHM", Manufacturer=Bourns, MANUFACTURER #=SRP1038A-4R7M, TOLERANCE="+/- 20%", DISTRIBUTOR=Digi-Key, DISTRIBUTOR #=SRP1038A-4R7MTR-ND, EE_SPEC="Irms=10A, Isat=17A, DCR=0.016Ohms", PART=SRP1038A-4R7M, PART DESCRIPTION="4.7µH Shielded Wirewound Inductor 10A 15.5 mOhm Max Nonstandard"
L5: "Common Mode Chokes Dual 90Ohm 100MHz 330mA 350mOhm DCR SMD", Manufacturer=Murata, TOLERANCE=-NA-, DISTRIBUTOR="Digi-Key Electronics", DISTRIBUTOR #=490-1064-2-ND, EE_SPEC="50V 330mA 0.33Ohm", MANUFACTURER #=DLW21HN900SQ2L, PART=DLW21HN900SQ2L, PART DESCRIPTION="2 Line Common Mode Choke Surface Mount 90 Ohm @ 100MHz 330mA DCR 350 mOhm"
LED1 LED2 LED3 LED4: library part 5988110107F, "LED 0805 Red", Manufacturer=Dialight, TOLERANCE=NA, DISTRIBUTOR=Digi-Key, DISTRIBUTOR #=350-2038-2-ND, EE_SPEC="2.2V 0.02A", MANUFACTURER #=5988110107F, PART=5988110107F, PART DESCRIPTION="Red 635nm LED Indication - Discrete 2.2V 0805 (2012 Metric)"
LOGO1: MANUFACTURER #="NOTAPART-OSHW LOGO", PART="NOTAPART-OSHW LOGO"
P1: "Header, 4-Pin, Dual row", Manufacturer=Multicomp, MANUFACTURER #=2213S-08G, TOLERANCE=-NA-, DISTRIBUTOR=Future, DISTRIBUTOR #=08N6790, EE_SPEC=-NA-, PART=2213S-08G, PART DESCRIPTION="Board-To-Board Connector, 2.54 mm, 8 Contacts, Header, 2213S Series, Through Hole, 2 Rows"
P2A P2B P2C P2D P2E P2F P2G P2H: "Header, 4-Pin, Dual row", LatestRevisionDate=17-Jul-2002, LatestRevisionNote="Re-released for DXP Platform.", Publisher="Altium Limited"
Q1 Q2 Q3 Q4: "MOSFET N-CH 40V 100A 8VSON", Manufacturer=TI, EE_SPEC="40V 100A", MANUFACTURER #=CSD18503Q5A, PART=CSD18503Q5A, PART DESCRIPTION="MOSFET N-CH 40V 100A 8VSON"
Q7A Q7B Q7C Q7D Q7E Q7F Q7G Q7H Q9A Q9B Q9C Q9D Q9E Q9F Q9G Q9H Q10A Q10B Q10C Q10D Q10E Q10F Q10G Q10H Q11A Q11B Q11C Q11D Q11E Q11F Q11G Q11H: "40V 17 MOHM T6 S08FL DUAL", Manufacturer="ON Semiconductor", TOLERANCE=-NA-, DISTRIBUTOR=Digikey, DISTRIBUTOR #=NVMFD5C478NT1GOSCT-ND, EE_SPEC="40V 17 MOHM", MANUFACTURER #=NVMFD5C478NT1G, PART=NVMFD5C478NT1G, PART DESCRIPTION="Mosfet Array 2 N-Channel (Dual) 40V 9.8A (Ta), 27A (Tc) 3.1W (Ta), 23W (Tc) Surface Mount 8-DFN (5x6) Dual Flag (SO8FL-Dual)"
Q8: library part MMBT3904_SOT523, "TRANS NPN 60V 0.2A SOT523", Manufacturer="Diodes Incorporated", MANUFACTURER #=MMBT3904T-7-F, TOLERANCE=-NA-, DISTRIBUTOR="Digi-Key Electronics", DISTRIBUTOR #=MMBT3904T-FDITR-ND, EE_SPEC="40V 0.2A", PART=MMBT3904T-7-F, PART DESCRIPTION="Bipolar (BJT) Transistor NPN 40V 200mA 300MHz 150mW Surface Mount SOT-523"
Q12 Q13: Manufacturer="On Semi", MANUFACTURER #=NCV8402ADDR2G, TOLERANCE=NA, DISTRIBUTOR=Digi-Key, DISTRIBUTOR #=NCV8402ADDR2GOSTR-ND, EE_SPEC="42Vmaz 2A 0.165-Ohm", PART=NCV8402ADDR2G, PART DESCRIPTION="IC DVR LOW SIDE 8-SOIC"
R1: library part "10.2k 1% 0402", "RES SMD 10.2K OHM 1% 1/16W 0402", Manufacturer=Yageo, MANUFACTURER #=RC0402FR-0710K2L, TOLERANCE=1%, DISTRIBUTOR=Digikey, DISTRIBUTOR #=YAG2950TR-ND, EE_SPEC=1/16W, PART=RC0402FR-0710K2L, PART DESCRIPTION="10.2 kOhms ±1% 0.063W, 1/16W Chip Resistor 0402 (1005 Metric) Moisture Resistant Thick Film"
R2: library part "1.4k 1% 0402", "RES SMD 1.4K OHM 1% 1/16W 0402", Manufacturer=Stackpole, MANUFACTURER #=RMCF0402FT1K40, TOLERANCE="+/- 1%", EE_SPEC="1.4k 1% 0402", PART=RMCF0402FT1K40, PART DESCRIPTION="1.4 kOhms ±1% 0.063W, 1/16W Chip Resistor 0402 (1005 Metric) Automotive AEC-Q200 Thick Film"
R3 R4 R13 R32 R59 R84 R86A R86B R86C R86D R86E R86F R86G R86H R88A R88B R88C R88D R88E R89 R93 R94 R116A R116B R116C R116D R116E R116F R116G R116H R163A R163B R163C R163D R163E R163F R163G R163H R168A R168B R168C R168D R168E R168F R168G R168H R170A R170B R170C R170D R170E R170F R170G R170H: library part "47R 1% 0402", "RES 47 OHM 1% 1/16W 0402", Manufacturer="Vishay Dale", MANUFACTURER #=CRCW040247R0FKEDC, TOLERANCE="+/- 1%", EE_SPEC="47R 1% 0402", PART=CRCW040247R0FKEDC, PART DESCRIPTION="47 Ohms ±1% 0.063W, 1/16W Chip Resistor 0402 (1005 Metric)  Thick Film"
R5: library part "1.96k 1% 0402", "RES SMD 1.96K OHM 1% 1/16W 0402", Manufacturer=Yageo, MANUFACTURER #=RC0402FR-071K96L, TOLERANCE=1%, DISTRIBUTOR=Digikey, DISTRIBUTOR #=311-1.96KLRTR-ND, EE_SPEC=1/16W, PART=RC0402FR-071K96L, PART DESCRIPTION="1.96 kOhms ±1% 0.063W, 1/16W Chip Resistor 0402 (1005 Metric) Moisture Resistant Thick Film"
R6 R7 R8 R9 R11 R12 R14 R15 R56 R66 R95 R96 R97 R100 R101 R119 R155 R171 R182 R183: library part "10k 1% 0402", "RES SMD 10K OHM 1% 1/16W 0402", Manufacturer=Yageo, MANUFACTURER #=RC0402FR-0710KP, TOLERANCE=1%, DISTRIBUTOR=Digikey, DISTRIBUTOR #=YAG1249TR-ND, EE_SPEC=1/16W, PART=RC0402FR-0710KP, PART DESCRIPTION="10k Ohm ±1% 0.063W, 1/16W Chip Resistor 0402 (1005 Metric) Moisture Resistant Thick Film"
R10: library part "37.4K 1% 0402", "RES SMD 37.4K OHM 1% 1/16W 0402", Manufacturer=Yageo, MANUFACTURER #=RC0402FR-0737K4L, TOLERANCE=1%, DISTRIBUTOR=Digikey, DISTRIBUTOR #=YAG3138CT-ND, EE_SPEC=1/16W, PART=RC0402FR-0737K4L, PART DESCRIPTION="37.4 kOhms ±1% 0.063W, 1/16W Chip Resistor 0402 (1005 Metric) Moisture Resistant Thick Film"
R16A R16B R16C R16D R16E R16F R16G R16H R18A R18B R18C R18D R18E R18F R18G R18H: library part "4.7k 1% 0402", "RES SMD 4.7K OHM 1% 1/16W 0402", Manufacturer=YAGEO, MANUFACTURER #=RC0402FR-074K7L, TOLERANCE=1%, DISTRIBUTOR=Digikey, DISTRIBUTOR #=311-4.7KLRTR-ND, EE_SPEC=1/16W, PART=RC0402FR-074K7L, PART DESCRIPTION="4.7k Ohm ±1% 0.063W, 1/16W Chip Resistor 0402 (1005 Metric) Moisture Resistant Thick Film"
R17A R17B R17C R17D R17E R17F R17G R17H R60: "Resistor", MANUFACTURER #=DNI-R0402TBD, DNI=DNI
  R60: PART=DNI-R0402TBD
R19 R23 R33 R34 R36 R41 R72 R74 R76 R79 R102 R152 R191 R193: library part RK73H1ETTP1001F, "RES 0402 1k 63mW 1%", Manufacturer=Yageo, MANUFACTURER #=RC0402FR-071KL, TOLERANCE=1%, DISTRIBUTOR="Digi-Key Electronics", DISTRIBUTOR #=311-1.00KLRTR-ND, EE_SPEC=1/16W, PART=RC0402FR-071KL, PART DESCRIPTION="1k Ohm ±1% 0.063W, 1/16W Chip Resistor 0402 (1005 Metric) Moisture Resistant Thick Film"
R20 R21 R25 R53 R98 R99 R109 R114 R120 R133 R134 R135 R136 R137 R138 R139 R140 R141 R142 R143 R144 R145 R149 R153 R159 R160 R161 R180 R181: library part "RES 100R 0402 1%", "RES SMD 100 OHM 1% 1/16W 0402", Manufacturer=Yageo, MANUFACTURER #=RC0402FR-07100RL, TOLERANCE=1%, DISTRIBUTOR #=311-100LRTR-ND, PART=RC0402FR-07100RL, PART DESCRIPTION="100 Ohm ±1% 0.063W, 1/16W Chip Resistor 0402 (1005 Metric) Moisture Resistant Thick Film"
  R20 R21 R25 R53 R109 R114 R120 R133 R134 R135 R136 R137 R138 R139 R140 R141 R142 R143 R144 R145 R149 R153 R159 R160 R161: DISTRIBUTOR="Digi-Key Electronics", EE_SPEC=1/16W
  R98 R99 R180 R181: DISTRIBUTOR=Digi-Key, EE_SPEC="100R 1% 0402"
R22 R31 R35 R37 R38 R51 R63 R73 R75 R78 R190 R192: library part RC1005F104CS, "RES SMD 100K OHM 1% 1/16W 0402", Manufacturer=Samsung, TOLERANCE=1%, DISTRIBUTOR="Digi-Key Electronics", DISTRIBUTOR #=1276-3432-1-ND, EE_SPEC=1/16W, MANUFACTURER #=RC1005F104CS, PART=RC1005F104CS, PART DESCRIPTION="100k Ohm ±1% 0.063W, 1/16W Chip Resistor 0402 (1005 Metric) Moisture Resistant Thick Film"
R24 R27 R52 R55: library part RC0402FR-0710RL, "RES SMD 10 OHM 1% 1/16W 0402", Manufacturer=Yageo, TOLERANCE=1%, DISTRIBUTOR="Digi-Key Electronics", DISTRIBUTOR #=311-10.0LRTR-ND, EE_SPEC="10R 1% 0402", MANUFACTURER #=RC0402FR-0710RL, PART=RC0402FR-0710RL, PART DESCRIPTION="10 Ohm ±1% 0.063W, 1/16W Chip Resistor 0402 (1005 Metric) Moisture Resistant Thick Film"
R26 R154: library part "24k 1% 0402", "RES SMD 24K OHM 1% 1/16W 0402", Manufacturer="Visha Dale", MANUFACTURER #=CRCW040224K0FKEDC, TOLERANCE="+/- 1%", EE_SPEC="24k 1% 0402", PART=CRCW040224K0FKEDC, PART DESCRIPTION="24 kOhms ±1% 0.063W, 1/16W Chip Resistor 0402 (1005 Metric)  Thick Film"
R28 R156: library part "1M 5% 0402", "RES 0402 1M 100mW 5%", Manufacturer=Panasonic, MANUFACTURER #=ERJ2GEJ105X, TOLERANCE=5%, DISTRIBUTOR=Digikey, DISTRIBUTOR #=P1.0MJTR-ND, EE_SPEC=1/10W, PART=ERJ2GEJ105X, PART DESCRIPTION="1M Ohm ±5% 0.1W, 1/10W Chip Resistor 0402 (1005 Metric) Automotive AEC-Q200 Thick Film"
R29 R30 R39 R54 R64 R65 R67 R68 R69 R70 R85 R150 R151: library part RC0402FR-0710KP, "RES SMD 10K OHM 1% 1/16W 0402", Manufacturer=Yageo, TOLERANCE=1%, DISTRIBUTOR="Digi-Key Electronics", DISTRIBUTOR #=YAG1249TR-ND, EE_SPEC=1/16W, MANUFACTURER #=RC0402FR-0710KP, PART=RC0402FR-0710KP, PART DESCRIPTION="10k Ohm ±1% 0.063W, 1/16W Chip Resistor 0402 (1005 Metric) Moisture Resistant Thick Film"
R40 R71 R108A R108B R108C R108D R108E R108F R108G R108H R197 R198: library part "1k 1% 0402", "RES 0402 1k 63mW 1%", Manufacturer=Yageo, MANUFACTURER #=RC0402FR-071KL, TOLERANCE=1%, DISTRIBUTOR #=311-1.00KLRTR-ND, EE_SPEC=1/16W, PART=RC0402FR-071KL, PART DESCRIPTION="1k Ohm ±1% 0.063W, 1/16W Chip Resistor 0402 (1005 Metric) Moisture Resistant Thick Film"
  R40 R71: DISTRIBUTOR="Digi-Key Electronics"
  R108A R108B R108C R108D R108E R108F R108G R108H R197 R198: DISTRIBUTOR=Digikey
R42 R43 R45 R46 R47 R48 R77 R82 R83: library part CRCW040224R0FKED, "Res Thick Film 0402 24 Ohm 1% 0.063W", Manufacturer=Yageo, MANUFACTURER #=RC0402FR-0724RL, TOLERANCE=1%, DISTRIBUTOR="Digi-Key Electronics", DISTRIBUTOR #=YAG3073TR-ND, EE_SPEC=1/16W, PART=RC0402FR-0724RL, PART DESCRIPTION="24 Ohm ±1% 0.063W, 1/16W Chip Resistor 0402 (1005 Metric) Moisture Resistant Thick Film"
R44 R50 R81 R87 R91 R92: library part RC0402FR-072K37L, "RES SMD 2.37K OHM 1% 1/16W 0402", Manufacturer=Yageo, TOLERANCE=1%, DISTRIBUTOR="Digi-Key Electronics", DISTRIBUTOR #=311-2.37KLRTR-ND, EE_SPEC=1/16W, MANUFACTURER #=RC0402FR-072K37L, PART=RC0402FR-072K37L, PART DESCRIPTION="2.37k Ohm ±1% 0.063W, 1/16W Chip Resistor 0402 (1005 Metric) Moisture Resistant Thick Film"
R49: library part CRCW04026K80FKED, "RES SMD 6.8K OHM 1% 1/16W 0402", Manufacturer="Vishay Dale", TOLERANCE=1%, DISTRIBUTOR="Digi-Key Electronics", DISTRIBUTOR #=541-6.80KLTR-ND, EE_SPEC=1/16W, MANUFACTURER #=CRCW04026K80FKED, PART=CRCW04026K80FKED, PART DESCRIPTION="6.8k Ohm ±1% 0.063W, 1/16W Chip Resistor 0402 (1005 Metric) Automotive AEC-Q200 Thick Film"
R57 R157: library part "130k 1% 0402", "RES SMD 130K OHM 5% 1/16W 0402", Manufacturer=Yageo, MANUFACTURER #=RC0402JR-07130KL, TOLERANCE=1%, DISTRIBUTOR=Digikey, DISTRIBUTOR #=YAG3273CT-ND, EE_SPEC=1/16W, PART=RC0402JR-07130KL, PART DESCRIPTION="130 kOhms ±5% 0.063W, 1/16W Chip Resistor 0402 (1005 Metric) Moisture Resistant Thick Film"
R58 R158: library part "100k 1% 0402", "RES SMD 100K OHM 1% 1/16W 0402", Manufacturer=Samsung, MANUFACTURER #=RC1005F104CS, TOLERANCE=1%, DISTRIBUTOR=Digikey, DISTRIBUTOR #=1276-3432-1-ND, EE_SPEC=1/16W, PART=RC1005F104CS, PART DESCRIPTION="100k Ohm ±1% 0.063W, 1/16W Chip Resistor 0402 (1005 Metric) Moisture Resistant Thick Film"
R61: library part ERJ2GEJ105X, "RES 0402 1M 100mW 5%", Manufacturer=Panasonic, TOLERANCE=5%, DISTRIBUTOR="Digi-Key Electronics", DISTRIBUTOR #=P1.0MJTR-ND, DNI=DNI, EE_SPEC=1/10W, MANUFACTURER #=ERJ2GEJ105X, PART=ERJ2GEJ105X, PART DESCRIPTION="1M Ohm ±5% 0.1W, 1/10W Chip Resistor 0402 (1005 Metric) Automotive AEC-Q200 Thick Film"
R62 R80 R90: library part RC0402FR-074K7L, "RES SMD 4.7K OHM 1% 1/16W 0402", Manufacturer=YAGEO, TOLERANCE=1%, DISTRIBUTOR="Digi-Key Electronics", DISTRIBUTOR #=311-4.7KLRTR-ND, EE_SPEC=1/16W, MANUFACTURER #=RC0402FR-074K7L, PART=RC0402FR-074K7L, PART DESCRIPTION="4.7k Ohm ±1% 0.063W, 1/16W Chip Resistor 0402 (1005 Metric) Moisture Resistant Thick Film"
R103: library part "0R 0603", "RES SMD 0.0OHM JUMPER 1/10W 0603", Manufacturer=Bourns, MANUFACTURER #=CR0603-J/-000ELF, TOLERANCE=-NA-, DISTRIBUTOR=Digikey, DISTRIBUTOR #=CR0603-J/-000ELFTR-ND, EE_SPEC="0R 0603", PART=CR0603-J/-000ELF, PART DESCRIPTION="0.0 Ohm Jumper 0.1W, 1/10W Chip Resistor 0603 (1608 Metric) Moisture Resistant Thick Film"
R107A R107B R107C R107D R107E R107F R107G R107H: library part "2.2R 5% 0402", "RES SMD 2.2 OHM 5% 1/16W 0402", Manufacturer=Yageo, MANUFACTURER #=RC0402JR-072R2L, TOLERANCE="+/- 5%", EE_SPEC="2.2R 5% 0402", PART=RC0402JR-072R2L, PART DESCRIPTION="2.2 Ohms ±5% 0.063W, 1/16W Chip Resistor 0402 (1005 Metric) Moisture Resistant Thick Film"
R110A R110B R110C R110D R110E R110F R110G R110H R111A R111B R111C R111D R111E R111F R111G R111H R112A R112B R112C R112D R112E R112F R112G R112H R113A R113B R113C R113D R113E R113F R113G R113H R164A R164B R164C R164D R164E R164F R164G R164H R165A R165B R165C R165D R165E R165F R165G R165H R166A R166B R166C R166D R166E R166F R166G R166H R167A R167B R167C R167D R167E R167F R167G R167H: library part "10R 1% 0402", "RES SMD 10 OHM 1% 1/16W 0402", Manufacturer=Yageo, MANUFACTURER #=RC0402FR-0710RL, TOLERANCE=1%, DISTRIBUTOR=Digikey, DISTRIBUTOR #=311-10.0LRTR-ND, EE_SPEC=1/16W, PART=RC0402FR-0710RL, PART DESCRIPTION="10 Ohm ±1% 0.063W, 1/16W Chip Resistor 0402 (1005 Metric) Moisture Resistant Thick Film"
R115: library part "15K 1% 0402", "RES SMD 15K 1% 1/16W 0402", Manufacturer=Samsung, MANUFACTURER #=RC1005F153CS, TOLERANCE=1%, DISTRIBUTOR=Digikey, DISTRIBUTOR #=1276-3442-2-ND, EE_SPEC=1/16W, PART=RC1005F153CS, PART DESCRIPTION="15K Ohm ±1% 0.063W, 1/16W Chip Resistor 0402 (1005 Metric) Moisture Resistant Thick Film"
R148: library part "0.01R 1% 0805", "RES 0.01 OHM 1% 1/2W 0805", Manufacturer=Susumu, MANUFACTURER #=KRL1220E-M-R010-F-T5, TOLERANCE=1%, DISTRIBUTOR=Digikey, DISTRIBUTOR #=408-1544-2-ND, EE_SPEC=0.5W, PART=KRL1220E-M-R010-F-T5, PART DESCRIPTION="10 mOhms ±1% 0.5W, 1/2W Chip Resistor 0805 (2012 Metric) Automotive AEC-Q200, Current Sense Metal Foil"
R162A R162B R162C R162D R162E R162F R162G R162H: library part "0.1R 1% 1206", "RES 0.05 OHM 1% 2W 2512", Manufacturer=Stackpole, MANUFACTURER #=CSRN2512FK50L0, TOLERANCE="+/- 1%", EE_SPEC="0.05R 1% 2512", PART=CSRN2512FK50L0, PART DESCRIPTION="50 mOhms ±1% 2W Chip Resistor 2512 (6432 Metric) Current Sense Thick Film"
R169A R169B R169C R169D R169E R169F R169G R169H: library part "0.05R 1% 2512", "RES 0.05 OHM 1% 2W 2512", Manufacturer=Stackpole, MANUFACTURER #=CSRN2512FK50L0, TOLERANCE="+/- 1%", EE_SPEC="0.05R 1% 2512", PART=CSRN2512FK50L0, PART DESCRIPTION="50 mOhms ±1% 2W Chip Resistor 2512 (6432 Metric) Current Sense Thick Film"
R172 R173 R184 R185: library part RC0402FR-071K8L, "RES SMD 1.8K OHM 1% 1/16W 0402", Manufacturer=Yageo, TOLERANCE="+/- 1%", DISTRIBUTOR=Digi-Key, DISTRIBUTOR #=311-1.80KLRTR-ND, EE_SPEC="1.8k 1% 0402", MANUFACTURER #=RC0402FR-071K8L, PART=RC0402FR-071K8L, PART DESCRIPTION="1.8k Ohm ±1% 0.063W, 1/16W Chip Resistor 0402 (1005 Metric) Moisture Resistant Thick Film"
R174 R175 R176 R177 R186 R187 R188 R189: library part RC0402FR-071KL, "RES SMD 1K OHM 1% 1/16W 0402", Manufacturer=Yageo, TOLERANCE="+/- 1%", DISTRIBUTOR=Digi-Key, DISTRIBUTOR #=311-1.00KLRTR-ND, EE_SPEC="1k 1% 0402", MANUFACTURER #=RC0402FR-071KL, PART=RC0402FR-071KL, PART DESCRIPTION="1k Ohm ±1% 0.063W, 1/16W Chip Resistor 0402 (1005 Metric) Moisture Resistant Thick Film"
RV1 RV2 RV3 RV4 RV5A RV5B RV5C RV5D RV5E RV5F RV5G RV5H RV6A RV6B RV6C RV6D RV6E RV6F RV6G RV6H RV7A RV7B RV7C RV7D RV7E RV7F RV7G RV7H: "VARISTOR 6.8V 10A 0201", Manufacturer=TDK, TOLERANCE=-NA-, EE_SPEC="3.5Vso 100pF", MANUFACTURER #=AVRM0603C6R8NT101N, PART=AVRM0603C6R8NT101N, PART DESCRIPTION="VARISTOR 6.8V 10A 0201"
S1: "SWTCH Momentary Washable", Manufacturer=TE, TOLERANCE=-NA-, DISTRIBUTOR=Mouser, DISTRIBUTOR #=506-1571610-2, EE_SPEC=24V, MANUFACTURER #=1571610-2, PART=1571610-2, PART DESCRIPTION="Tactile Switches R/A SEALED TACT SWITCH"
S2: "SWITCH TACTILE SPST-NO 0.05A 12V", Manufacturer=C&K, TOLERANCE=-NA-, DISTRIBUTOR="Digi-Key Electronics", DISTRIBUTOR #=CKN10688TR-ND, EE_SPEC="32V 50mA", MANUFACTURER #="KMR741NG ULC LFS", PART="KMR741NG ULC LFS", PART DESCRIPTION="Tactile Switch SPST-NO Top Actuated Surface Mount"
TP1 TP2 TP4 TP7 TP8 TP17 TP18 TP69: "Test Point"
TP3A TP3B TP3C TP3D TP3E TP3F TP3G TP3H TP5 TP6 TP9 TP10 TP11A TP11B TP11C TP11D TP11E TP12A TP12B TP12C TP12D TP12E TP12F TP12G TP12H TP13 TP14 TP15 TP16 TP19 TP20 TP21 TP22 TP23A TP23B TP23C TP23D TP23E TP24A TP24B TP24C TP24D TP24E TP25 TP26 TP27 TP29 TP30 TP31 TP32 TP33 TP34A TP34B TP34C TP34D TP34E TP34F TP34G TP34H TP35 TP36 TP37 TP38 TP39 TP40 TP41A TP41B TP41C TP41D TP41E TP41F TP41G TP41H TP43 TP44 TP46 TP47 TP48 TP49 TP50 TP51 TP52 TP53 TP54 TP55 TP56 TP58 TP59 TP60 TP61 TP62 TP63 TP64 TP65 TP66 TP67 TP74 TP75 TP76 TP77 TP78 TP79 TP80 TP81 TP82 TP101 TP106 TP107 TP108 TP128 TP129 TP130 TP131: library part Socket, "Socket", MANUFACTURER #=NOTAPART-Testpoint, PART=NOTAPART-Testpoint
U1: "IC REG BUCK ADJ 5A 8SOPWRPAD", Manufacturer=TI, MANUFACTURER #=TPS54531DDAR, DISTRIBUTOR=Digikey, DISTRIBUTOR #=296-40801-2-ND, EE_SPEC="28Vin_max, 5A, 570kHz", PART=TPS54531DDAR, PART DESCRIPTION="Buck Switching Regulator IC Positive Adjustable 0.8V 1 Output 5A 8-PowerSOIC (0.154\", 3.90mm Width)"